# Altium PCB PCB1.PcbDoc (continued)
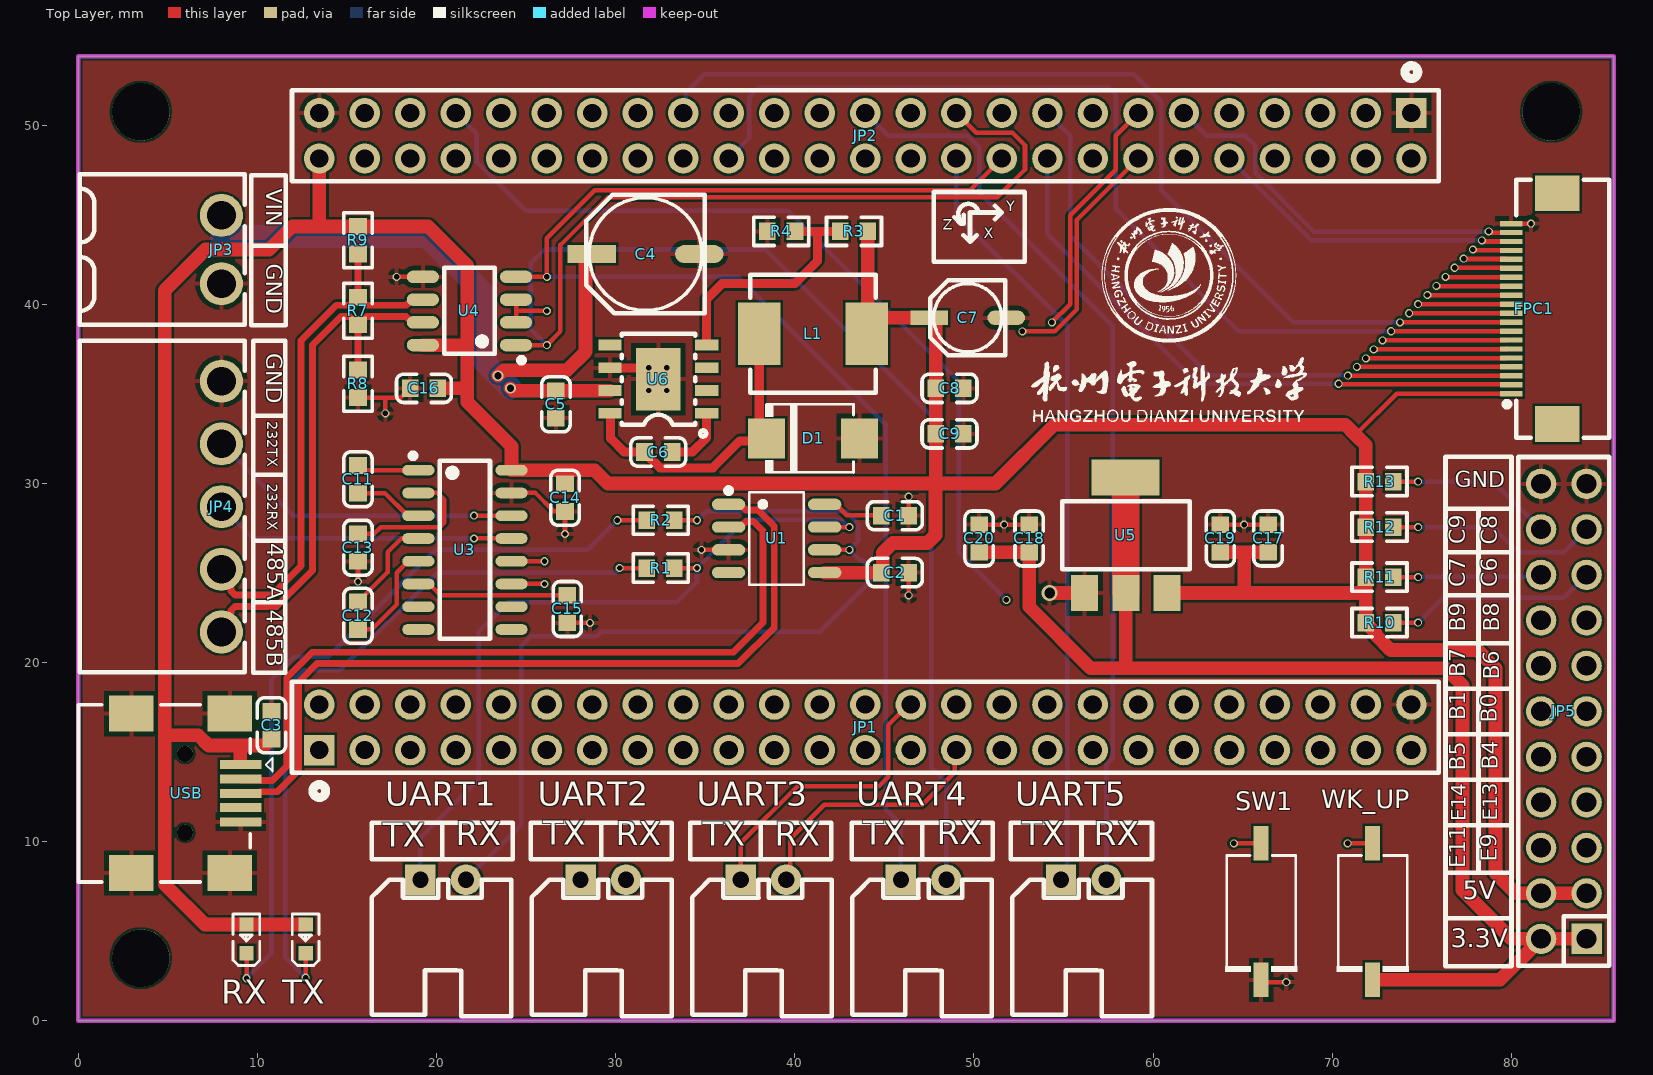
[diagram p0: Top Layer view]
## Footprints (in the part's own frame and the unit in brackets; to place one, negate y for a bottom-side part, rotate by r counter-clockwise, add the part's x,y. Pads: shape width x height; smd on the part's side, far side on the other; paste and mask are expansions set on the pad)
0603_C [mm]
  rect 0.93x0.98 smd: 1(-0.77,0) 2(0.77,0)
  silkscreen extent -1.53,-0.79 1.54,0.79, body extent -0.8,-0.41 0.8,0.41, height 0.81
0603_R [mm]
  rect 0.93x0.98 smd: 1(-0.77,0) 2(0.77,0)
  silkscreen extent -1.53,-0.79 1.54,0.79, body extent -0.85,-0.4 0.85,0.4, height 0.56
"CM B(4*5.4)" [mm] "贴片电解电容，直径4mm，高5.4mm"
  rect 2.1x0.8 smd: 1(2.15,0)
  oval 2.1x0.8 smd: 2(-2.15,0)
  silkscreen extent -2.1,-2.1 2.1,2.1, body extent -2.3,-2.12 2.3,2.18, height 5.4
"CM D(6.3*5.4)" [mm] "贴片电解电容，直径6.3mm，高5.4mm"
  rect 2.7x1 smd: 1(3,0)
  oval 2.7x1 smd: 2(-3,0)
  silkscreen extent -3.3,-3.3 3.3,3.3, body extent -3.5,-3.3 3.5,3.3, height 5.4
CONN-TH_2P-P3.81_KF2EDGR-3.81-2P [mm]
  round 2.4 hole 1.6: 1(-1.905,0) 2(1.905,0)
  silkscreen extent -4.21,-7.9 4.21,1.3
CONN-TH_5P-P3.50_KF2EDGR-3.5-5P [mm]
  round 2.4 hole 1.6: 1(-7,0) 2(-3.5,0) 3(0,0) 4(3.5,0) 5(7,0)
  silkscreen extent -9.25,-7.9 9.25,1.3
ESOP-8_L4.9-W3.9-P1.27-LS6.0-TL-EP [mm]
  rect 1.3x0.6 smd: 1(-2.7,1.905) 2(-2.7,0.635) 3(-2.7,-0.635) 4(-2.7,-1.905) 5(2.7,-1.905) 6(2.7,-0.635) 7(2.7,0.635) 8(2.7,1.905)
  rect 2.5x3.5 smd: 9(0,0)
  silkscreen extent -2.67,-2.55 2.05,3.2
FPC-SMD_20P-P0.50_XUNPU_FPC-05F-20PH20 [mm]
  rect 0.3x1.25 smd paste+0 mask+0.05: 1(-4.75,1.288) 2(-4.25,1.288) 3(-3.75,1.288) 4(-3.25,1.288) 5(-2.75,1.288) 6(-2.25,1.288) 7(-1.75,1.288) 8(-1.25,1.288) 9(-0.75,1.288) 10(-0.25,1.288) 11(0.25,1.288) 12(0.75,1.288) 13(1.25,1.288) 14(1.75,1.288) 15(2.25,1.288) 16(2.75,1.288) 17(3.25,1.288) 18(3.75,1.288) 19(4.25,1.288) 20(4.75,1.288)
  rect 2x2.5 smd paste+0 mask+0.05: 21(6.44,-1.287) 22(-6.44,-1.287)
  silkscreen extent -7.2,-4.19 7.2,1.67
HDR-TH_22P-P2.54-V-M-R2-C11-S2.54 [mm]
  rect 1.7x1.7 hole 1.1: 1(-12.7,-1.27)
  round 1.7 hole 1.1: 2(-12.7,1.27) 3(-10.16,-1.27) 4(-10.16,1.27) 5(-7.62,-1.27) 6(-7.62,1.27) 7(-5.08,-1.27) 8(-5.08,1.27) 9(-2.54,-1.27) 10(-2.54,1.27) 11(0,-1.27) 12(0,1.27) 13(2.54,-1.27) 14(2.54,1.27) 15(5.08,-1.27) 16(5.08,1.27) 17(7.62,-1.27) 18(7.62,1.27) 19(10.16,-1.27) 20(10.16,1.27) 21(12.7,-1.27) 22(12.7,1.27)
  silkscreen extent -14.2,-2.54 14.2,2.54
HDR-TH_50P-P2.54-V-F-R2-C25-S2.54-1 [mm]
  rect 1.7x1.7 hole 1.02: 1(-30.48,-1.27)
  round 1.7 hole 1.02: 2(-30.48,1.27) 3(-27.94,-1.27) 4(-27.94,1.27) 5(-25.4,-1.27) 6(-25.4,1.27) 7(-22.86,-1.27) 8(-22.86,1.27) 9(-20.32,-1.27) 10(-20.32,1.27) 11(-17.78,-1.27) 12(-17.78,1.27) 13(-15.24,-1.27) 14(-15.24,1.27) 15(-12.7,-1.27) 16(-12.7,1.27) 17(-10.16,-1.27) 18(-10.16,1.27) 19(-7.62,-1.27) 20(-7.62,1.27) 21(-5.08,-1.27) 22(-5.08,1.27) 23(-2.54,-1.27) 24(-2.54,1.27) 25(0,-1.27) 26(0,1.27) 27(2.54,-1.27) 28(2.54,1.27) 29(5.08,-1.27) 30(5.08,1.27) 31(7.62,-1.27) 32(7.62,1.27) 33(10.16,-1.27) 34(10.16,1.27) 35(12.7,-1.27) 36(12.7,1.27) 37(15.24,-1.27) 38(15.24,1.27) 39(17.78,-1.27) 40(17.78,1.27) 41(20.32,-1.27) 42(20.32,1.27) 43(22.86,-1.27) 44(22.86,1.27) 45(25.4,-1.27) 46(25.4,1.27) 47(27.94,-1.27) 48(27.94,1.27) 49(30.48,-1.27) 50(30.48,1.27)
  silkscreen extent -32,-3.91 32,2.54
IND-SMD_L7.3-W6.8 [mm]
  rect 2.35x3.5 smd: 1(-3,0) 2(3,0)
  silkscreen extent -3.5,-3.3 3.5,3.3
LED0603-RD [mm]
  rect 0.8x0.8 smd: 1(-0.799,-0.003) 2(0.799,0.003)
  silkscreen extent -1.49,-0.75 1.39,0.76
SMB_L4.3-W3.6-LS5.4-RD [mm]
  rect 2.047x2.241 smd: 1(-2.591,0) 2(2.591,0)
  silkscreen extent -2.67,-1.91 2.26,1.91
SOIC-8_150MIL [mm] "5*6.2*1.75mm"
  oval 0.7x1.8 smd: 1(-1.905,-2.6) 2(-0.635,-2.6) 3(0.635,-2.6) 4(1.905,-2.6) 5(1.905,2.6) 6(0.635,2.6) 7(-0.635,2.6) 8(-1.905,2.6)
  silkscreen extent -2.9,-3.05 2.4,1.4, body extent -2.45,-3 2.45,3, height 1.75
SOIC-16_150mil [mm] "10.5*6.2*1.75mm"
  oval 0.6x1.8 smd: 1(-4.445,-2.6) 2(-3.175,-2.6) 3(-1.905,-2.6) 4(-0.635,-2.6) 5(0.635,-2.6) 6(1.905,-2.6) 7(3.175,-2.6) 8(4.445,-2.6) 9(4.445,2.6) 10(3.175,2.6) 11(1.905,2.6) 12(0.635,2.6) 13(-0.635,2.6) 14(-1.905,2.6) 15(-3.175,2.6) 16(-4.445,2.6)
  silkscreen extent -5.4,-3.05 4.97,1.4, body extent -5,-3.03 5,3.03, height 1.65
SOP-8_L4.9-W3.9-P1.27-LS6.0-BL [mm]
  oval 0.63x1.865 smd: 1(-1.905,-2.682) 2(-0.635,-2.682) 3(0.635,-2.682) 4(1.905,-2.682) 5(1.905,2.682) 6(0.635,2.682) 7(-0.635,2.682) 8(-1.905,2.682)
  silkscreen extent -2.82,-2.83 2.58,1.52
SOT-223 [mil]
  rect 59x79 smd: 1(-88,-130) 2(2.55,-130) 3(93.1,-130)
  rect 150x79 smd: 2(1.88,123.54)
  silkscreen extent -137,-78 143,72, body extent -126,-139 130,135, height 67
SW-SMD_L6.1-W3.7-LS7.9 [mm]
  rect 1.92x0.84 smd: 1(3.81,0) 2(-3.81,0)
  silkscreen extent -3.35,-2 3.13,2
USB-MINI-A [mm]
  rect 0.5x2.3 smd: 1(-1.6,3.108) 2(-0.8,3.108) 3(0,3.108) 4(0.8,3.108) 5(1.6,3.108)
  rect 2x2.5 smd: 5(-4.45,2.5) 5(-4.45,-3) 5(4.45,2.5) 5(4.45,-3)
  round 0.9 hole 0.9 unplated: MH1(2.2,0) MH2(-2.2,0)
  silkscreen extent -4.95,-5.95 4.95,4.89, body extent -4.75,-6 4.75,3.7, height 3.95
XH2.54-WI-2P [mm] "接插件，2P"
  rect 1.7x1.7 hole 0.9: 1(-1.27,0)
  round 1.7 hole 0.9: 2(1.27,0)
  silkscreen extent -3.99,-7.62 3.81,0, body extent -3.77,-7.35 3.77,0.35, height 5.73

## Part data
C1 C2 C5 C8 C11 C12 C13 C14 C15 C16 C17 C18: library part "0603 100nF (104) 10% 50V", "贴片电容", Package=0603, SuppliersPartNumber=C14663, ComponentLink1Description=供应商链接, ComponentLink1URL=http://www.szlcsc.com/product/details_15331.html, Supplier=LC
C3 C9 C19 C20: library part "0603 10uF (106) 10% 10V", "贴片电容", Package=0603, SuppliersPartNumber=C19702, ComponentLink1Description=供应商链接, ComponentLink1URL=http://www.szlcsc.com/product/details_20411.html, Supplier=LC
C4 C7: library part C-CM, "贴片电解电容", BOM名称=贴片电解电容, 学习资源=www.ooocke.com, 版权归属=源创客
C6: library part "0603 10nF (103) 10% 50V", "贴片电容", Package=0603, SuppliersPartNumber=C57112, ComponentLink1Description=供应商链接, ComponentLink1URL=http://www.szlcsc.com/product/details_58143.html, Supplier=LC
D1: Average Rectified Current (Io)=5A, Forward Voltage (Vf@If)=600mV@5A, JLCPCB Part Class="Extended Part", LCSC Part Name="40V 5A 600mV@5A", Manufacturer=UMW(广东友台半导体), Manufacturer Part=SS54, Reverse Leakage Current (Ir)=1mA@40V, Reverse Voltage (Vr)=40V, Add into BOM=yes, Convert to PCB=yes, Datasheet=https://atta.szlcsc.com/upload/public/pdf/source/20220412/DFE4B5D1FBAE230579785280D401C062.pdf, Device=SS54_C2988643, Name=SS54, Supplier=LCSC, Supplier Footprint=SMB, Supplier Part=C2988643, Symbol=SS54_C2988643
FPC1: JLCPCB Part Class="Extended Part", LCSC Part Name="20P 0.5mm", Manufacturer=XUNPU(讯普), Add into BOM=yes, Convert to PCB=yes, Device=FPC-05F-20PH20, Manufacturer Part=FPC-05F-20PH20, Name=FPC-05F-20PH20, Supplier=LCSC, Supplier Footprint=SMD, Supplier Part=C2856803, Symbol=FPC-05F-20PH20
JP1 JP2: JLCPCB Part Class="Extended Part", LCSC Part Name="2.54mm 2x25P Y型//环保耐高温/镀金", Manufacturer=华宇创, Add into BOM=yes, Contact Material=黄铜, Contact Plating=-, Convert to PCB=yes, Datasheet=https://atta.szlcsc.com/upload/public/pdf/source/20181220/C350296_D2530F60C4B7AD26B2D0A354C76F8429.pdf, Device=2685Y-225CNG1SNA01, Holes Structure=2x25P, Insulation Height=-, Manufacturer Part=2685Y-225CNG1SNA01, Mounting Type=直插, Name=2685Y-225CNG1SNA01, Number of Holes=50P, Number of Rows=双排, Pitch=2.54mm, Row Spacing=2.54mm, Supplier=LCSC, Supplier Footprint=插件,P=2.54mm, Supplier Part=C350296, Symbol=2685Y-225CNG1SNA01
JP3: Color=绿色, Current Rating (Max)=8A, JLCPCB Part Class="Extended Part", LCSC Part Name="板端/插座-闭口 1x2P 3.81mm 排数:1 每排P数:2 弯针", Manufacturer=KEFA(科发), Operating Temperature Range=-40℃~+105℃, Voltage Rating (Max)=300V, Add into BOM=yes, Connector Type=板端/插座-闭口, Convert to PCB=yes, Datasheet=https://atta.szlcsc.com/upload/public/pdf/source/20230331/6258E6C6BF04EFF922F3E5A9E72A4547.pdf, Device=KF2EDGR-3.81-2P, Manufacturer Part=KF2EDGR-3.81-2P, Mounting Style=弯针, Name=KF2EDGR-3.81-2P, Number of PINs Per Row=2, Number of Rows=1, Pitch=3.81mm, Structure=1x2P, Supplier=LCSC, Supplier Footprint=弯插,P=3.81mm, Supplier Part=C441182, Symbol=KF2EDGR-3.81-2P
JP4: Color=绿色, Current Rating (Max)=8A, JLCPCB Part Class="Extended Part", LCSC Part Name="板端/插座-闭口 3.5mm 排数:1 每排P数:5 弯针", Manufacturer=KEFA(科发), Operating Temperature Range=-40℃~+105℃, Voltage Rating (Max)=300V, Add into BOM=yes, Connector Type=板端/插座-闭口, Convert to PCB=yes, Datasheet=https://atta.szlcsc.com/upload/public/pdf/source/20191023/C441174_3952556C0659C22A17E7C4561A2B2291.pdf, Device=KF2EDGR-3.5-5P, Manufacturer Part=KF2EDGR-3.5-5P, Mounting Style=弯针, Name=KF2EDGR-3.5-5P, Number of PINs Per Row=5, Number of Rows=1, Pitch=3.5mm, Supplier=LCSC, Supplier Footprint=P=3.5mm, Supplier Part=C441174, Symbol=KF2EDGR-3.5-5P, Wire Gauge - AWG=-, Wire Gauge - mm?=-
JP5: "HDR2.54 2x11P", Color=黑色, Current Rating (Max)=-, JLCPCB Part Class="Extended Part", LCSC Part Name="2.54mm 2x11P 直插 方针", Manufacturer=XFCN(兴飞), Operating Temperature Range=-40℃~+105℃, Add into BOM=yes, Circluar Pins/Square Pins=方针, Contact Material=黄铜, Contact Plating=-, Convert to PCB=yes, Device=PZ254V-12-22P, Insulation Height=2.5mm, Length of End Connection Pin=3mm, Length of Mating Pin=6mm, Manufacturer Part=PZ254V-12-22P, Mounting Type=直插, Name=PZ254V-12-22P, Number of Pins=22, Number of Rows=双排, Pin Structure=2x11P, Pitch=2.54mm, Row Spacing=2.54mm, Supplier=LCSC, Supplier Footprint=直插,P=2.54mm, Supplier Part=C492428, Symbol=PZ254V-12-22P, Voltage Rating (Max)=-
L1: "22uH", DC Resistance (DCR)=170mΩ, JLCPCB Part Class="Extended Part", LCSC Part Name="22uH ±20%", Manufacturer=Sunlord(顺络), Rated Current=2.5A, Tolerance=±20%, Add into BOM=yes, Convert to PCB=yes, Datasheet=https://atta.szlcsc.com/upload/public/pdf/source/20190729/C408453_64865E9628338F56CB759A725C0B9F8F.pdf, Device=MWSA0603S-220MT, Height=3mm, Length=6.6mm, Manufacturer Part=MWSA0603S-220MT, Name=22uH, Supplier=LCSC, Supplier Footprint=SMD, Supplier Part=C408453, Symbol=MWSA0603S-220MT, Width=7mm
R1 R2: library part "0603 470Ω (4700) 1%", "贴片电阻", Package=0603, SuppliersPartNumber=C23179, ComponentLink1Description=供应商链接, ComponentLink1URL=http://www.szlcsc.com/product/details_23906.html, Supplier=LC
R3 R4: library part "0603 1.1KΩ (1101) 1%", "贴片电阻", Package=0603, SuppliersPartNumber=C22764, ComponentLink1Description=供应商链接, ComponentLink1URL=http://www.szlcsc.com/product/details_23491.html, Supplier=LC
R7: library part "0603 120Ω (1200) 1%", "贴片电阻", Package=0603, SuppliersPartNumber=C22787, ComponentLink1Description=供应商链接, ComponentLink1URL=http://www.szlcsc.com/product/details_23514.html, Supplier=LC
R8 R9: library part "0603 360Ω (3600) 1%", "贴片电阻", Package=0603, SuppliersPartNumber=C25194, ComponentLink1Description=供应商链接, ComponentLink1URL=http://www.szlcsc.com/product/details_25937.html, Supplier=LC
R10 R11 R12 R13: library part "0603 10KΩ (1002) 1%", "贴片电阻", Package=0603, SuppliersPartNumber=C25804, ComponentLink1Description=供应商链接, ComponentLink1URL=http://www.szlcsc.com/product/details_26547.html, Supplier=LC
RX TX: library part "0603 LED-RD", Emitted Color=红灯, JLCPCB Part Class="Extended Part", Manufacturer=国星光电, Manufacturer Part=NCD0603R1, Add into BOM=yes, Convert to PCB=yes, Datasheet=https://atta.szlcsc.com/upload/public/pdf/source/20200820/C84263_DABC6A75E58F576973B407FDBA283D60.pdf, Device=NCD0603R1_C84263, LCSC Part Name=红灯, Name=NCD0603R1, Supplier=LCSC, Supplier Footprint=0603, Supplier Part=C84263, Symbol=FC-DA1608HRK-620D
SW1 WK_UP: "红头按键", Contact Current=50mA, JLCPCB Part Class="Extended Part", LCSC Part Name="6.1*3.65*2.5mm 立贴 轻触开关", Manufacturer="SHOU HAN(首韩)", Operating Force=250gf@±30gf, Voltage Rating (DC)=36V, Actuator Style=矩形按钮, Add into BOM=yes, Circuit=单刀单掷, Convert to PCB=yes, Datasheet=https://atta.szlcsc.com/upload/public/pdf/source/20190816/C412368_ED995B38C5F41C525244887EA1991E6A.pdf, Device=TS3625A-HT, Manufacturer Part=TS3625A-HT, Mechanical Life=-, Mounting Style=立贴, Name=TS3625A-HT, Supplier=LCSC, Supplier Footprint=SMD,3.7x6.1mm, Supplier Part=C412368, Switch Height=2.5mm, Switch Length=6.1mm, Switch Width=3.65mm, Symbol=TS3625A-HT, With Lamp=-
U1: library part CH340N_C2977777, Designer=U?, Device=CH340N_C2977777, Symbol=CH340N_C2977777
U3: library part "MAX3232IDR C18261", "+3.3V Powered, Multi-Channel RS-232 Driver/Receiver", Code_IPC=SOIC127P600-16, Code_JEDEC=MS-012-AC, ComponentLink1Description="Manufacturer Link", ComponentLink1URL=http://www.maxim-ic.com/, ComponentLink2Description=Datasheet, ComponentLink2URL=https://item.szlcsc.com/18956.html, LatestRevisionDate=13-Apr-2006, LatestRevisionNote="IPC-7351 Footprint Added.", PackageDescription="16-Pin Small Outline Integrated Circuit 1.27 mm Pitch", PackageReference=NSO16, Published=16-Jan-2001, Publisher="Altium Limited"
U4: library part "MAX3485ESA+T C18148", "485芯片", BOM_LCSC Assembly=Yes, BOM_Manufacturer=MAXIM, BOM_Manufacturer Part=MAX3485ESA+T, BOM_Supplier=LCSC, BOM_Supplier Part=C18148, image=//image.lceda.cn/szlcsc/C18148.jpg, SMT Type=Extend, spicePre=U, URL=https://item.szlcsc.com/18840.html
U5: library part "SOT-223 AMS1117-3.3", "低压差线性稳压(LDO)", Package=SOT-223, SuppliersPartNumber=C6186, ComponentLink1Description=供应商链接, ComponentLink1URL=http://www.szlcsc.com/product/details_6652.html, Supplier=LC
U6: Input Voltage=-, JLCPCB Part Class="Basic Part", LCSC Part Name=降压型, Manufacturer=TI(德州仪器), Add into BOM=yes, Convert to PCB=yes, Datasheet=https://atta.szlcsc.com/upload/public/pdf/source/20161207/1481104217724.pdf, Device=TPS5430DDAR, Function=降压型, Manufacturer Part=TPS5430DDAR, Name=TPS5430DDAR, Number of Outputs=-, Output Current (Max)=-, Supplier=LCSC, Supplier Footprint=SO-8, Supplier Part=C9864, Switching Frequency=-, Symbol=TPS5430DDAR, Synchronous Rectification=-, Topology=-
UART1 UART2 UART3 UART4 UART5: library part "Header 2 Pitch2.54", "2P接插件", BOM名称=2P接插件, 学习资源=www.ooocke.com, 版权归属=源创客
USB: "微型USB母座", BOM名称=微型USB母座, 学习资源=www.ooocke.com, 版权归属=源创客

## Free pads (board coordinates)
  round 3.2 hole 3.2: 2(3.5,50.737) 3(3.5,3.5) 4(82.225,50.737)

## Via types
v1: diameter 0.45, hole 0.3, Top Layer to Bottom Layer, 54 vias
v2: diameter 0.6, hole 0.3, Top Layer to Bottom Layer, 4 vias
v3: diameter 0.6, hole 0.4, Top Layer to Bottom Layer, 2 vias
v4: diameter 0.9, hole 0.6, Top Layer to Bottom Layer, 1 vias

## Nets (pads, with @x,y where several pads share a name; then routed paths per layer and width w, separated by ;. In a path a pad name is that pad's centre, name@x,y a point inside that pad or via, vN(x,y) a via of type N, cw(c..) or ccw(c..) an arc to the next point about the centre after c; other vN are vias at no path point)
3.3V: C18.2 C20.2 JP5.1 JP5.2 U5.2 WK_UP.2 | length 72.3
  Top Layer w0.762: C20.2 C18.2 53.086,23.114 56.515,19.685 58.547,19.685 ; U5.2@58.468,30.316 U5.2@58.485,30.299 ; U5.2@58.485,23.876 58.485,19.747 58.547,19.685 ; WK_UP.2 72.898,2.286 78.74,2.286 79.375,2.286 JP5.2 ; JP5.1 JP5.2 ; 58.547,19.685 76.327,19.685 77.279,18.732 77.279,7.302 80.01,4.572 JP5.2
  Top Layer w1.524: U5.2@58.485,23.876 U5.2@58.485,30.299
5V: C2.2 C3.2 C7.1 C8.2 C9.2 C14.1 C16.1 C17.2 C19.2 FPC1.1 JP2.50 JP5.3 JP5.4 L1.1 R3.2 R9.1 R10.1 R11.1 R12.1 R13.1 RX.2 TX.2 U1.5 U3.16 U4.8 U5.3 USB.1 | length 229.2
  Top Layer w0.254: 71.306,32.707 73.601,35.001 FPC1.1
  Top Layer w0.762: 9.042,14.63 9.042,15.367 ; C3.2 10.711,15.648 10.686,15.648 10.405,15.367 9.042,15.367 ; TX.2 RX.2 7.075,5.371 4.826,7.62 4.826,15.944 ; JP2.50 13.462,44.339 ; U4.8 21.717,37.719 ; C16.1 21.717,35.306 ; U1.5 C2.2 44.907,25.103 44.907,26.111 45.466,26.67 47.412,26.67 47.859,27.116 47.859,29.996 ; L1.1 44.021,38.449 L1.1@44.077,38.505 ; R3.2 L1.1@44.077,38.505 ; U5.3 65.151,23.876 ; C19.2 65.087,26.154 ; C17.2 65.087,26.154 ; JP5.3 JP5.4 80.264,7.112 79.121,8.255 79.121,19.685 78.105,20.701 73.265,20.701 72.441,21.525 72.441,21.633 71.874,22.2 R10.1 71.874,23.749 ; 4.826,15.944 6.706,15.944 7.283,15.367 9.042,15.367 ; 4.826,15.944 4.826,40.767 7.112,43.053 10.669,43.053 11.955,44.339 13.462,44.339 ; 13.462,44.339 R9.1 19.542,44.339 21.717,42.164 21.717,37.719 ; 21.717,35.306 21.717,37.719 ; 21.717,35.306 21.717,34.544 24.19,32.071 U3.16 28.829,30.734 29.567,29.996 48.006,29.996 ; L1.1@44.077,38.505 44.815,39.243 C7.1 47.852,39.243 47.871,39.224 C8.2 C9.2 47.871,30.131 48.006,29.996 ; 48.006,29.996 51.205,29.996 54.483,33.274 70.739,33.274 71.306,32.707 71.874,32.139 R13.1 R12.1 R11.1 71.874,23.749 ; 65.087,26.154 65.087,23.939 65.151,23.876 ; 65.151,23.876 71.747,23.876 71.874,23.749
12V: C4.1 C5.2 JP3.1 U6.7 | length 38.7
  Top Layer w0.762: v3(23.431,36.005) 23.749,36.322 27.305,36.322 28.321,37.338 28.321,42.68 28.44,42.799 C4.1 ; v3(24.13,35.306) 24.257,35.179 C5.2 U6.7
  Bottom Layer w1.27: JP3.1@8.001,43.787 19.459,43.787 22.733,40.513 22.733,36.703 v3(23.431,36.005) v3(24.13,35.306)
232RX: JP4.3 U3.13 | length 16.9
  Top Layer w0.254: v1(22.098,26.924) U3.13
  Bottom Layer w0.254: JP4.3 9.779,26.924 v1(22.098,26.924)
232TX: JP4.2 U3.14 | length 17.8
  Top Layer w0.254: v1(22.098,28.194) U3.14
  Bottom Layer w0.254: JP4.2 12.009,28.194 v1(22.098,28.194)
485_N: JP4.5 R7.2 R8.1 U4.7 | length 29.3
  Top Layer w0.381: JP4.5 8.001,22.249 8.535,22.783 8.535,22.912 8.759,23.135 11.079,23.135 13.081,25.137 13.081,37.719 14.668,39.306 15.143,39.306 15.596,38.854 R7.2 ; R8.1 R7.2 ; U4.7 18.629,38.989 18.311,39.306 16.099,39.306 15.646,38.854 R7.2
485_P: JP4.4 R7.1 R9.2 U4.6 | length 29.2
  Top Layer w0.381: JP4.4 8.001,24.656 8.535,24.122 8.535,23.993 8.759,23.77 10.816,23.77 12.446,25.4 12.446,37.982 14.405,39.941 15.143,39.941 15.596,40.394 R7.1 ; R9.2 R7.1 ; U4.6 18.629,40.259 18.311,39.941 16.098,39.941 15.646,40.394 R7.1
BOOT0: JP2.36
D_N: U1.2 USB.2 | length 43.1
  Top Layer w0.381: USB.2 9.137,13.44 10.156,13.44 10.179,13.417 10.844,13.417 11.66,14.233 11.66,19.162 13.072,20.574 36.576,20.574 38.227,22.225 38.227,27.336 37.686,27.877 37.272,27.877 36.954,27.559 U1.2
D_P: U1.1 USB.3 | length 45.2
  Top Layer w0.381: USB.3 9.137,12.759 10.156,12.759 10.179,12.782 11.107,12.782 12.295,13.97 12.295,18.899 13.335,19.939 36.839,19.939 38.862,21.962 38.862,27.599 37.949,28.511 37.272,28.511 36.954,28.829 U1.1
GND: C1.1 C2.1 C3.1 C4.2 C5.1 C7.2 C8.1 C9.1 C13.2 C14.2 C15.2 C16.2 C17.1 C18.1 C19.1 C20.1 D1.2 FPC1.20 JP1.50 JP2.1 JP2.49 JP3.2 JP4.1 JP5.21 JP5.22 R4.1 R8.2 SW1.2 U1.3 U3.15 U4.5 U5.1 U6.6 U6.9 USB.5 | length 29.3
  Top Layer w0.254: v1(15.621,24.511) C13.2 ; R8.2 17.145,34.79 ; v1(17.145,33.909) 17.145,34.79 ; v1(17.78,41.529) U4.5 ; C16.2 18.534,35.281 18.196,34.943 18.171,34.943 18.018,34.79 17.145,34.79 ; U3.15 25.527,29.464 26.543,28.448 27.162,28.448 C14.2 v1(27.178,27.17) ; C15.2 v1(28.575,22.217) ; v1(34.798,26.289) U1.3 ; v1(46.355,23.749) 46.355,25.011 C2.1 ; v1(46.355,29.263) 46.355,28.202 C1.1 ; C20.1 C18.1 ; C19.1 C17.1 ; SW1.2 66.167,2.159 v1(67.437,2.159) ; FPC1.20 v1(81.102,44.501)
  Top Layer w0.508: U6.6 U6.9@31.75,36.449 ; v2(31.855,36.459) 32.385,35.929 U6.9
  Top Layer w0.762: v4(54.229,23.876) U5.1
  other v1: 51.689,27.694 65.087,27.694
  other v2: 31.853,35.186 32.848,35.186 32.848,36.46
NetC1_2: C1.2 U1.8 | length 3.4
  Top Layer w0.254: U1.8 42.289,28.829 42.899,28.219 44.798,28.219 C1.2
NetC6_1: C6.1 D1.1 L1.2 U6.8 | length 17.5
  Top Layer w0.508: U6.8 U6.8@29.72,33.874 ; U6.8@29.731,33.863 U6.8@29.72,33.874 ; L1.2 38.021,32.921 D1.1 38.287,32.37 36.942,32.37 35.433,30.861 32.479,30.861 31.615,31.725 C6.1 30.48,31.75 29.72,32.51 U6.8@29.72,33.874
NetC6_2: C6.2 U6.1 | length 3.6
  Top Layer w0.508: C6.2 34.29,31.75 35.085,32.545 U6.1
NetC11_1: C11.1 U3.3 | length 3.9
  Top Layer w0.254: C11.1 17.128,29.456 18.39,28.194 U3.3
NetC11_2: C11.2 U3.1 | length 3.5
  Top Layer w0.254: C11.2 15.883,30.734 U3.1
NetC12_1: C12.1 U3.4 | length 5.5
  Top Layer w0.254: C12.1 15.646,23.384 15.984,23.722 15.984,23.747 17.272,25.035 17.272,26.162 18.034,26.924 U3.4
NetC12_2: C12.2 U3.5 | length 6
  Top Layer w0.254: C12.2 16.383,21.844 17.78,23.241 17.78,25.019 18.415,25.654 U3.5
NetC13_1: C13.1 U3.2 | length 8
  Top Layer w0.254: C13.1 16.518,27.186 16.891,27.559 20.193,27.559 20.447,27.813 20.447,29.083 20.066,29.464 U3.2
NetC15_1: C15.1 U3.6 | length 8.6
  Top Layer w0.254: U3.6 19.59,24.384 20.225,23.749 27.297,23.749 C15.1
NetR1_1: R1.1 TX.1 | length 40.9
  Top Layer w0.254: v1(12.7,2.413) 12.7,3.769 TX.1 ; v1(30.226,25.273) R1.1
  Top Layer w0.381: R1.1 R1.1@31.742,25.298
  Bottom Layer w0.254: v1(12.7,2.413) 11.557,3.556 11.557,18.52 12.595,19.558 14.605,19.558 20.066,25.019 29.972,25.019 v1(30.226,25.273)
NetR2_1: R2.1 RX.1 | length 43.3
  Top Layer w0.254: v1(9.401,2.376) RX.1 ; v1(30.099,27.94) R2.1
  Bottom Layer w0.254: v1(9.401,2.376) 10.795,3.769 10.795,19.05 12.065,20.32 13.97,20.32 19.939,26.289 28.448,26.289 v1(30.099,27.94)
NetR3_1: R3.1 R4.2 U6.4 | length 14.2
  Top Layer w0.508: U6.4@35.435,37.719 U6.4 35.085,40.292 35.941,41.148 40.005,41.148 41.275,42.418 41.275,44.069 ; R4.2 41.275,44.069 ; R3.1 41.275,44.069
NRST: JP1.1
PA0: JP1.6 WK_UP.1 | length 62.9
  Top Layer w0.254: v1(70.866,9.906) WK_UP.1
  Signal1 w0.254: JP1.6 18.542,17.526 19.939,16.129 19.939,11.557 25.527,5.969 65.151,5.969 69.088,9.906 v1(70.866,9.906)
PA1: JP1.7
PA2: JP1.8 UART2.1 | length 12.7
  Signal1 w0.254: JP1.8 22.518,16.217 22.518,13.403 UART2.1
PA3: JP1.9 UART2.2 | length 10.1
  Signal1 w0.254: JP1.9 23.622,14.976 30.587,8.011 UART2.2
PA4: JP1.10
PA5: JP1.11
PA6: JP1.12
PA7: JP1.13
PA8: JP2.12
PA9: JP2.13 R1.2 U1.7 UART1.1 | length 74.2
  Top Layer w0.254: R1.2 v1(34.544,25.273) ; U1.7 v1(43.053,27.559) ; v1(54.356,38.989) 55.372,40.005 55.372,44.958 57.912,47.498 57.912,49.403 JP2.13
  Signal1 w0.254: v1(43.053,27.559) 43.053,32.193 49.849,38.989 v1(54.356,38.989)
  Bottom Layer w0.254: UART1.1 19.108,10.218 22.352,13.462 22.352,21.717 24.003,23.368 33.401,23.368 34.544,24.511 v1(34.544,25.273) 37.24,27.969 42.606,27.969 43.016,27.559 v1(43.053,27.559)
PA10: JP2.14 R2.2 U1.6 UART1.2 | length 82.7
  Top Layer w0.254: R2.2 v1(34.544,27.94) ; U1.6 v1(43.053,26.289) ; v1(52.705,38.481) 54.525,38.481 55.753,39.709 55.753,44.704 JP2.14
  Signal1 w0.254: v1(43.053,26.289) 43.532,26.768 43.532,32.133 49.88,38.481 v1(52.705,38.481)
  Bottom Layer w0.254: UART1.2 24.726,10.952 24.726,20.916 25.273,21.463 28.956,21.463 29.21,21.717 41.402,21.717 44.323,24.638 44.323,25.146 43.77,25.699 43.643,25.699 v1(43.053,26.289) 43.532,26.768 43.532,27.757 42.841,28.448 35.052,28.448 v1(34.544,27.94)
PA11: JP2.15
PA12: JP2.16
PA13: FPC1.3 JP2.17 | length 34.9
  Top Layer w0.254: v1(70.873,36.009) 70.877,36.005 79.658,36.005 FPC1.3@79.662,36.009
  Bottom Layer w0.254: JP2.17 55.372,49.403 55.372,43.815 63.148,36.039 70.843,36.039 v1(70.873,36.009)
PA14: FPC1.2 JP2.18 | length 33.3
  Top Layer w0.254: v1(70.358,35.56) 70.394,35.524 79.715,35.524 FPC1.2@79.738,35.501
  Bottom Layer w0.254: JP2.18 54.102,43.942 62.484,35.56 v1(70.358,35.56)
PA15: JP2.19
PB0: FPC1.10 JP1.16 JP5.11 | length 97.5
  Top Layer w0.254: v1(74.295,39.497) 74.297,39.499 79.736,39.499 FPC1.10@79.738,39.501
  Signal1 w0.254: JP1.16 31.242,32.206 38.533,39.497 v1(74.295,39.497) 77.812,35.98 77.812,16.93 78.701,16.041 83.351,16.041 84.201,16.891 JP5.11@84.201,17.145
PB1: FPC1.11 JP1.17 JP5.12 | length 105.9
  Top Layer w0.254: v1(74.803,40.005) 74.805,40.003 79.736,40.003 FPC1.11@79.738,40.001
  Signal1 w0.254: JP1.17 33.782,13.208 32.639,12.065 31.115,12.065 29.972,13.208 29.972,22.241 29.464,22.749 29.464,30.967 38.502,40.005 v1(74.803,40.005) 78.193,36.615 78.193,17.946 78.994,17.145 JP5.12@81.661,17.145
PB2: JP1.18
PB3: JP2.31
PB4: FPC1.8 JP2.32 JP5.9 | length 89.5
  Top Layer w0.254: v1(73.294,38.492) 73.298,38.497 79.723,38.497 FPC1.8@79.727,38.492
  Signal1 w0.254: v1(73.294,38.492) 77.05,34.736 77.05,14.263 77.812,13.501 83.224,13.501 84.201,14.478 JP5.9@84.201,14.605
  Bottom Layer w0.254: JP2.32 37.465,49.276 37.465,51.562 37.973,52.07 57.531,52.07 57.912,51.689 57.912,45.339 64.77,38.481 73.283,38.481 v1(73.294,38.492)
PB5: FPC1.9 JP2.33 JP5.10 | length 85.9
  Top Layer w0.254: v1(73.787,38.989) 73.793,38.995 79.733,38.995 FPC1.9@79.738,39.001
  Signal1 w0.254: v1(73.787,38.989) 77.431,35.345 77.431,15.152 77.978,14.605 JP5.10@81.661,14.605
  Bottom Layer w0.254: JP2.33 33.909,50.8 33.909,51.794 34.947,52.832 58.928,52.832 60.452,51.308 60.452,46.355 67.818,38.989 v1(73.787,38.989)
PB6: FPC1.12 JP2.34 JP5.13 | length 109.3
  Top Layer w0.254: v1(75.311,40.513) 75.317,40.507 79.987,40.507 FPC1.12
  Signal1 w0.254: JP2.34 32.639,49.276 32.639,51.308 30.988,52.959 23.495,52.959 22.352,51.816 22.352,47.117 28.956,40.513 v1@75.184,40.513 ; v1(75.311,40.513) 78.574,37.25 78.574,19.47 79.463,18.581 83.097,18.581 84.201,19.685 JP5.13@84.201,19.294
PB7: FPC1.13 JP2.35 JP5.14 | length 94.4
  Top Layer w0.254: v1(75.819,41.021) 75.829,41.011 79.728,41.011 FPC1.13@79.738,41.001
  Signal1 w0.254: JP2.35 31.132,50.783 31.132,51.799 30.607,52.324 25.781,52.324 25.058,51.601 25.058,46.697 30.734,41.021 v1(75.819,41.021) 78.955,37.885 78.955,20.74 80.01,19.685 JP5.14@81.661,19.685
PB8: FPC1.14 JP2.37 JP5.15 | length 85.3
  Top Layer w0.254: v1(76.327,41.529) 76.341,41.515 79.725,41.515 FPC1.14@79.738,41.501
  Signal1 w0.254: JP2.37 27.598,49.569 27.598,46.57 32.639,41.529 v1(76.327,41.529) 79.336,38.52 79.336,22.137 80.391,21.082 82.931,21.082 JP5.15
PB9: FPC1.15 JP2.38 JP5.16 | length 76.6
  Top Layer w0.254: v1(76.835,42.037) FPC1.15@79.449,42.037
  Signal1 w0.254: JP2.38 28.702,46.355 33.02,42.037 v1(76.835,42.037) 79.717,39.155 79.717,23.241 80.43,22.528 81.485,22.528 JP5.16
PB10: JP1.28 U3.11 UART3.1 | length 44.6
  Top Layer w0.254: U3.11 v1(26.035,24.384) ; UART3.1 36.986,9.935 40.132,13.081 44.682,13.081 45.212,13.611 45.212,16.51 46.355,17.653 JP1.28
  Signal1 w0.254: v1(26.035,24.384) 24.892,23.241 24.892,14.478 29.464,9.906 36.195,9.906 36.986,9.115 UART3.1 ; JP1.28@46.23,17.401 JP1.28
PB11: JP1.29 U3.12 UART3.2 | length 44.3
  Top Layer w0.254: U3.12 v1(26.035,25.654) ; UART3.2 39.751,8.099 39.751,10.16 41.656,12.065 47.117,12.065 48.934,13.882 48.934,15.025 JP1.29
  Signal1 w0.254: v1(26.035,25.654) 27.559,24.13 27.559,13.208 29.972,10.795 37.973,10.795 39.526,9.242 UART3.2
PB12: JP1.30
PB13: JP1.31
PB14: JP1.32
PB15: JP1.33
PC0: JP1.2
PC1: JP1.3
PC2: JP1.4
PC3: JP1.5
PC4: JP1.14
PC5: JP1.15
PC6: FPC1.16 JP2.8 JP5.17 R10.2 | length 52.9
  Top Layer w0.254: R10.2 v1(74.803,22.225) ; v1(77.343,42.545) 77.365,42.523 79.717,42.523 FPC1.16@79.738,42.501
  Signal1 w0.254: JP2.8 66.802,45.463 69.735,42.53 77.328,42.53 v1(77.343,42.545) 80.098,39.79 80.098,24.296 80.606,23.788 83.097,23.788 JP5.17
  Bottom Layer w0.254: v1(74.803,22.225) 76.2,23.622 82.931,23.622 JP5.17
PC7: FPC1.17 JP2.9 JP5.18 R11.2 | length 49
  Top Layer w0.254: R11.2@73.541,24.892 73.668,24.765 v1(74.803,24.765) ; v1(77.851,43.053) 77.88,43.024 79.715,43.024 FPC1.17@79.738,43.001
  Signal1 w0.254: JP2.9 64.514,50.421 65.493,50.421 66.345,49.569 67.271,49.569 67.945,48.895 67.945,44.859 69.751,43.053 v1(77.851,43.053) 80.479,40.425 80.479,26.074 JP5.18
  Bottom Layer w0.254: v1(74.803,24.765) 74.821,24.783 81.552,24.783 JP5.18
PC8: FPC1.18 JP2.10 JP5.19 R12.2 | length 47.9
  Top Layer w0.254: R12.2 73.541,27.432 73.668,27.559 v1(74.803,27.559) ; v1(78.359,43.561) 78.412,43.561 78.472,43.501 FPC1.18@79.738,43.501
  Signal1 w0.254: v1(78.359,43.561) 82.931,38.989 82.931,28.702 JP5.19
  Bottom Layer w0.254: JP2.10 68.834,43.561 v1(78.359,43.561) ; v1(74.803,27.559) 78.994,27.559 80.391,26.162 82.931,26.162 JP5.19
PC9: FPC1.19 JP2.11 JP5.20 R13.2 | length 55.8
  Top Layer w0.254: R13.2@73.414,29.972 73.541,30.099 v1(74.803,30.099) ; v1(78.74,44.069) 78.793,44.069 78.861,44.001 FPC1.19@79.738,44.001
  Signal1 w0.254: v1(78.74,44.069) 84.709,38.1 84.709,31.242 85.344,30.607 85.344,26.67 84.709,26.035 83.058,26.035 JP5.20
  Bottom Layer w0.254: JP2.11 62.992,49.403 65.151,49.403 65.698,48.856 65.698,47.332 68.99,44.04 78.711,44.04 v1(78.74,44.069) ; v1(74.803,30.099) 78.994,30.099 JP5.20
PC10: JP2.20 U4.4 UART4.1 | length 79.2
  Top Layer w0.254: U4.4 v1(26.162,41.529) 26.162,43.688 28.829,46.355 49.784,46.355 JP2.20
  Bottom Layer w0.254: v1(26.162,41.529) 36.83,41.529 45.085,33.274 45.085,11.811 45.925,10.971 UART4.1
PC11: JP2.21 U4.1 UART4.2 | length 98.9
  Top Layer w0.254: U4.1 v1(26.162,37.719) 26.924,38.481 26.924,43.307 29.591,45.974 51.308,45.974 52.854,47.52 52.854,48.873 52.158,49.569 50.126,49.569 JP2.21
  Bottom Layer w0.254: v1(26.162,37.719) 25.273,38.608 25.273,42.291 26.035,43.053 38.354,43.053 47.625,33.782 47.625,14.141 48.465,13.301 UART4.2
PC12: JP2.22 UART5.1 | length 43.4
  Signal1 w0.254: UART5.1 UART5.1@55.206,8.216
  Bottom Layer w0.254: JP2.22 49.022,45 55.206,38.816 55.206,8.216 UART5.1
PC13: JP2.46
PC14: JP2.47
PC15: JP2.48
PD0: JP2.23
PD1: JP2.24
PD2: JP2.25 UART5.2 | length 51.3
  Bottom Layer w0.254: JP2.25 45.212,49.403 49.657,49.403 50.292,48.768 50.292,46.228 57.746,38.774 57.746,14.656 57.404,14.314 UART5.2
PD3: JP2.26
PD4: JP2.27
PD5: JP2.28
PD6: JP2.29
PD7: JP2.30
PD8: JP1.34
PD9: JP1.35
PD10: JP1.36
PD11: JP1.37
PD12: JP1.38
PD13: JP1.39
PD14: JP1.40
PD15: JP1.41
PE0: JP2.39
PE1: JP2.40
PE2: JP2.41
PE3: JP2.42
PE4: JP2.43 SW1.1 | length 73.3
  Top Layer w0.254: v1(64.516,9.906) SW1.1
  Signal1 w0.254: v1(51.816,23.495) 52.832,22.479 52.832,13.97 56.896,9.906 v1(64.516,9.906)
  Bottom Layer w0.254: JP2.43 22.262,49.493 22.262,47.932 24.982,45.212 39.624,45.212 49.149,35.687 49.149,26.162 v1(51.816,23.495)
PE5: JP2.44 U4.2 U4.3 | length 13.6
  Top Layer w0.254: U4.2 24.444,39.624 ; U4.3 24.444,39.624 ; v1(26.162,39.624) 24.444,39.624
  Signal1 w0.254: JP2.44 21.082,44.704 v1(26.162,39.624)
PE6: JP2.45
PE7: JP1.19
PE8: JP1.20
PE9: FPC1.4 JP1.21 JP5.5 | length 100.2
  Top Layer w0.254: v1(71.38,36.5) FPC1.4
  Signal1 w0.254: JP1.21 38.862,13.843 40.894,11.811 48.641,11.811 50.419,13.589 50.419,30.099 56.821,36.501 v1(71.38,36.5) v1(71.38,36.5) ; v1@71.38,36.504 v1(71.38,36.5) ; JP5.5@84.201,9.525 82.931,8.255 79.121,8.255 75.526,11.85 75.526,32.354 v1(71.38,36.5)
PE10: JP1.22
PE11: FPC1.5 JP1.23 JP5.6 | length 91.6
  Top Layer w0.254: v1(71.882,36.979) 79.717,36.979 FPC1.5@79.738,37.001
  Signal1 w0.254: JP1.23 43.561,12.954 46.736,12.954 47.752,13.97 47.752,30.099 54.632,36.979 v1(71.882,36.979) ; v1@71.86,36.979 75.907,32.932 75.907,12.231 78.657,9.481 JP5.6@81.324,9.481
PE12: JP1.24
PE13: FPC1.6 JP1.25 JP5.7 | length 90.5
  Top Layer w0.254: v1(72.32,37.484) 72.329,37.493 79.73,37.493 FPC1.6@79.738,37.501
  Signal1 w0.254: JP1.25 45.046,16.217 45.046,18.708 44.577,19.177 44.577,31.877 50.165,37.465 72.301,37.465 v1(72.32,37.484) 76.288,33.517 76.288,12.612 77.939,10.961 83.097,10.961 JP5.7@84.201,12.065
PE14: FPC1.7 JP1.26 JP5.8 | length 84.5
  Top Layer w0.254: v1(72.81,37.987) 72.824,38.001 FPC1.7@79.738,38.001
  Signal1 w0.254: JP1.26 43.942,32.004 49.925,37.987 v1(72.81,37.987) 76.669,34.128 76.669,13.12 77.724,12.065 JP5.8@81.661,12.065
PE15: JP1.27
pads on no net: FPC1.21 FPC1.22 JP1.42 JP1.43 JP1.44 JP1.45 JP1.46 JP1.47 JP1.48 JP1.49 JP2.2 JP2.3 JP2.4 JP2.5 JP2.6 JP2.7 U1.4 U3.7 U3.8 U3.9 U3.10 U6.2 U6.3 U6.5 USB.4 USB.MH1 USB.MH2

## Polygon pours and split planes (outlines as drawn)
GND on Top Layer "Top Layer-GND" (solid, remove dead copper, pour order 4): 0,53.848 85.725,53.848 85.725,0 0,0
GND on Bottom Layer "Bottom Layer-GND" (solid, remove dead copper, pour order 6): 0,53.848 85.725,53.848 85.725,0 0,0
GND on GND (split plane): 85.215,0.51 0.51,0.51 0.51,53.338 85.215,53.338

## Keep-outs
Keep-Out Layer:
  the board outline again, w0.254

## Silkscreen, mask and mechanical layers (free items; w line width, h text height)
Top Overlay:
  drawing of 170 lines, arcs and shapes, not listed
  text "VIN" at 10.18,46.446 h1.52 r270
  text "Y" at 51.816,44.994 h1.02
  text "Z" at 48.26,43.95 h1.02
  text "X" at 50.546,43.488 h1.02
  text "GND" at 10.18,42.255 h1.52 r270
  text "GND" at 10.202,37.264 h1.52 r270
  text "232TX" at 10.355,33.465 h1.02 r270
  text "232RX" at 10.355,29.988 h1.02 r270
  text "GND" at 76.835,29.464 h1.52
  text "485A" at 10.242,26.67 h1.52 r270
  text "C9" at 77.728,26.6 h1.52 r90
  text "C8" at 79.53,26.561 h1.52 r90
  text "C7" at 77.738,24.214 h1.52 r90
  text "C6" at 79.521,24.214 h1.52 r90
  text "485B" at 10.231,22.956 h1.52 r270
  text "B9" at 77.724,21.717 h1.52 r90
  text "B8" at 79.629,21.717 h1.52 r90
  text "B7" at 77.724,19.177 h1.52 r90
  text "B6" at 79.629,19.05 h1.52 r90
  text "B1" at 77.724,16.764 h1.52 r90
  text "B0" at 79.502,16.637 h1.52 r90
  text "B4" at 79.54,14.007 h1.52 r90
  text "B5" at 77.724,13.97 h1.52 r90
  text "E13" at 79.482,11.172 h1.4 r90
  text "E14" at 77.738,11.141 h1.4 r90
  text "RX" at 47.928,9.405 h2.29
  text "TX" at 25.956,9.37 h2.29
  text "TX" at 43.835,9.368 h2.29
  text "RX" at 21.086,9.345 h2.29
  text "RX" at 30.018,9.345 h2.29
  text "TX" at 52.704,9.349 h2.29
  text "RX" at 56.687,9.349 h2.29
  text "TX" at 34.855,9.331 h2.29
  text "RX" at 38.874,9.331 h2.29
  text "TX" at 17,9.272 h2.29
  text "E9" at 79.502,8.89 h1.52 r90
  text "E11" at 77.724,8.525 h1.52 r90
  text "5V" at 77.301,6.411 h1.78
  text "3.3V" at 76.61,3.746 h1.78
Bottom Overlay:
  drawing of 67 lines, arcs and shapes, not listed
  text "原神，启动！" at 52.575,20.15 h3.81